# Altium PCB Ethernet2Mil_Adapter_Dual.PcbDoc (part 1 of 5)
Units mil, origin at the board's own origin, x right, y up, seen from the top; angles counter-clockwise.
Board outline 6000 x 4000 mil, 2 copper layers (Top Layer, Bottom Layer); 318 components, 359 nets, 3384 pads, 22 vias.
Unrouted connection lines stored in the file: 800.
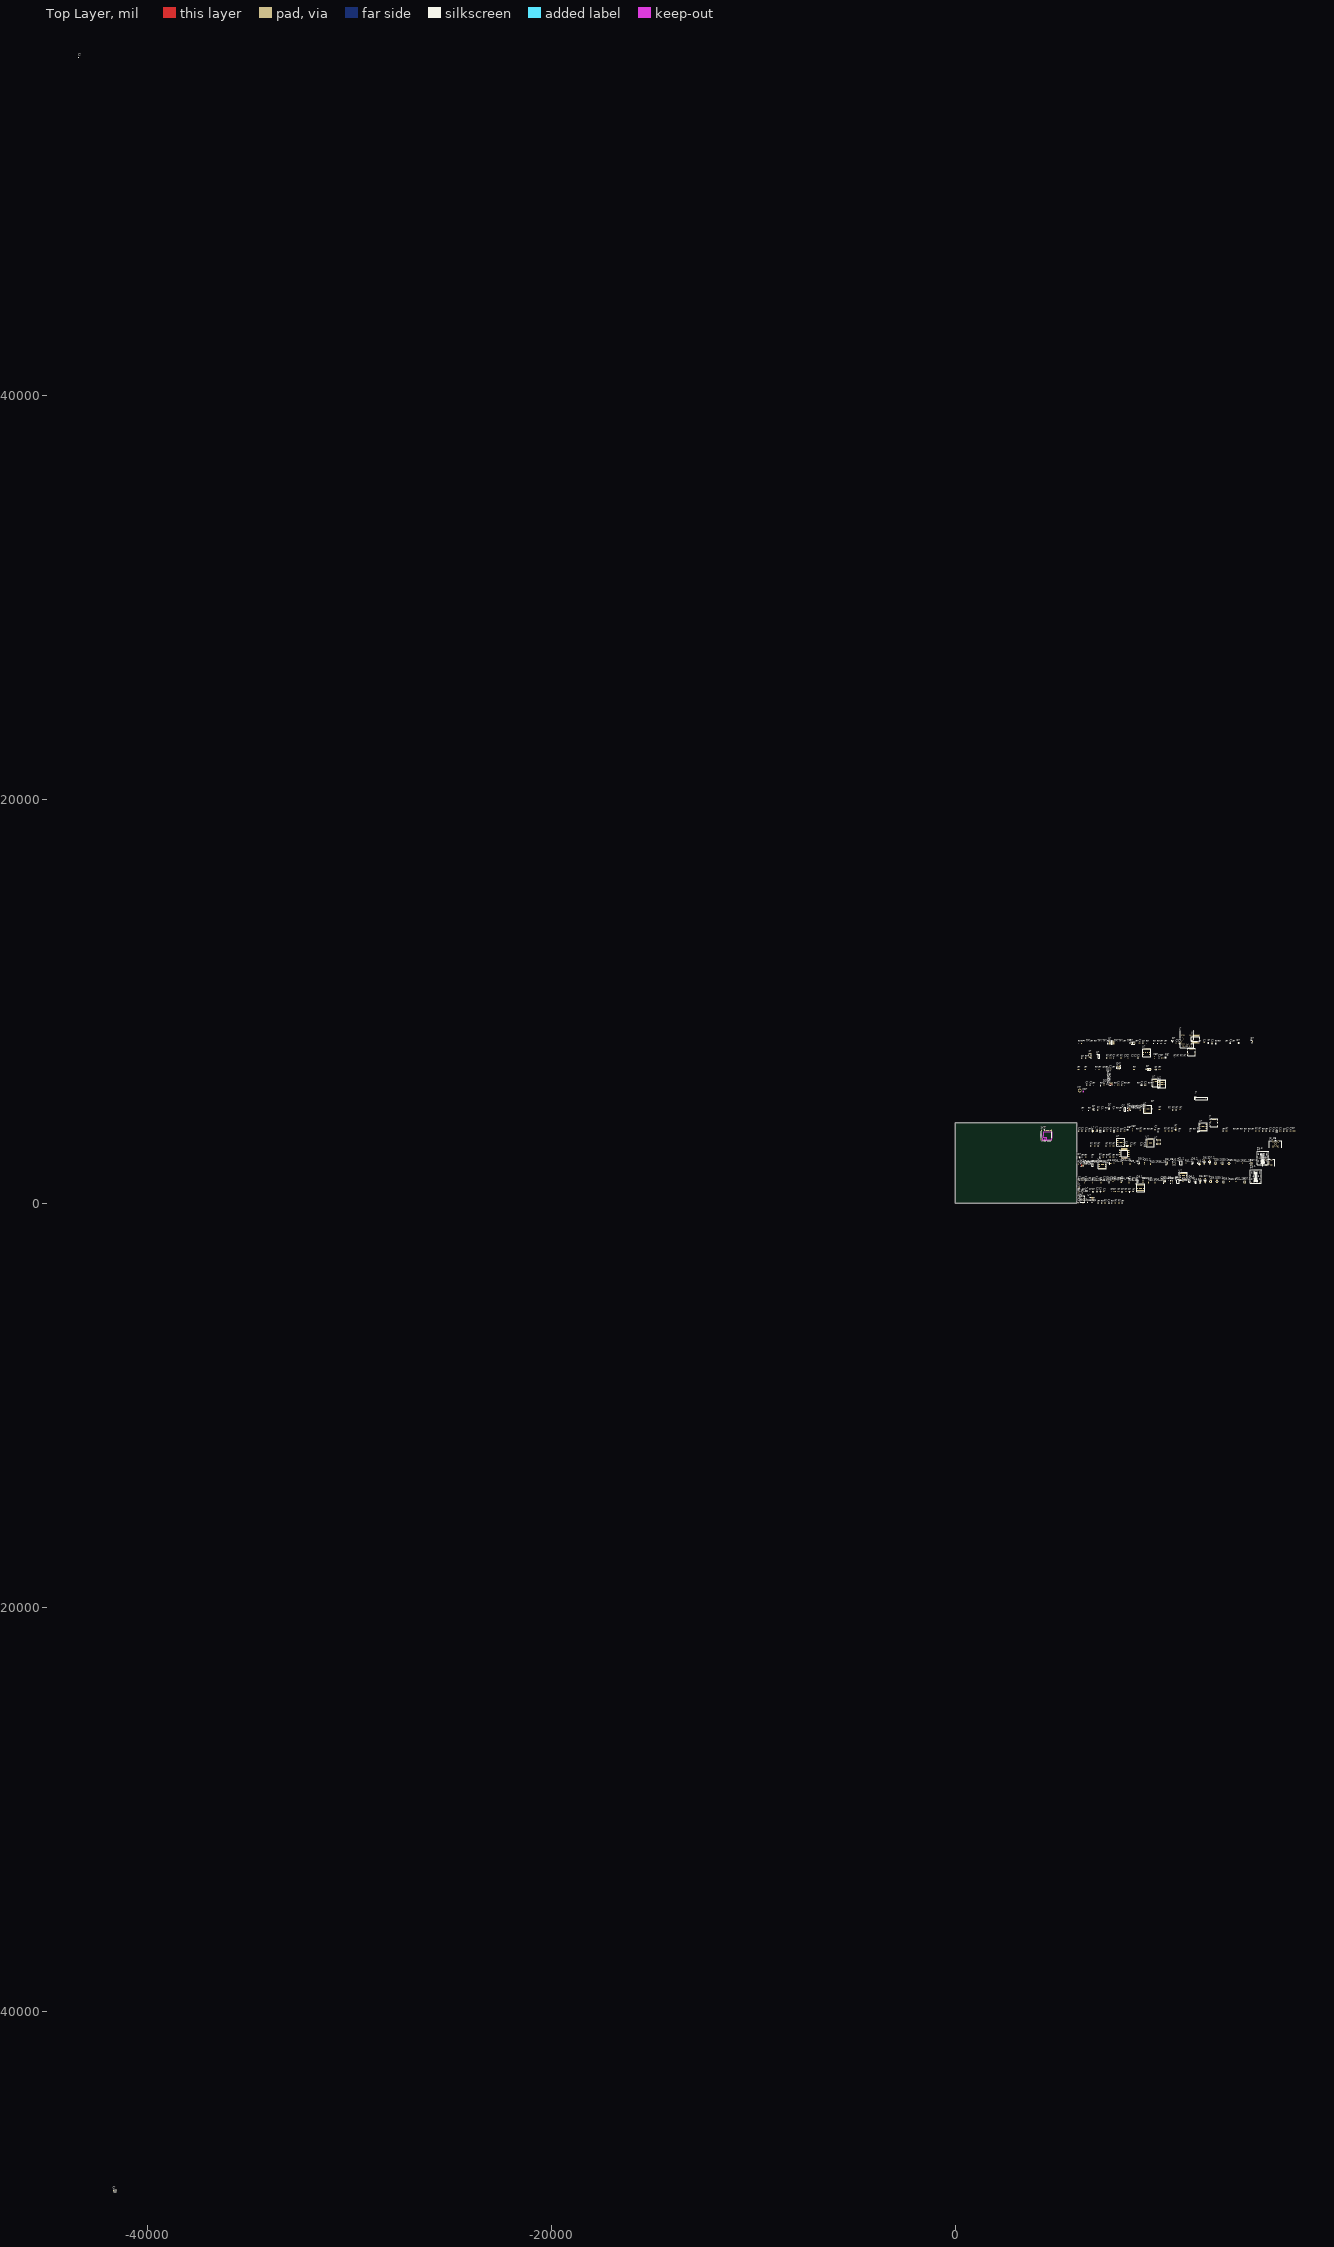
[diagram p0: Top Layer view]
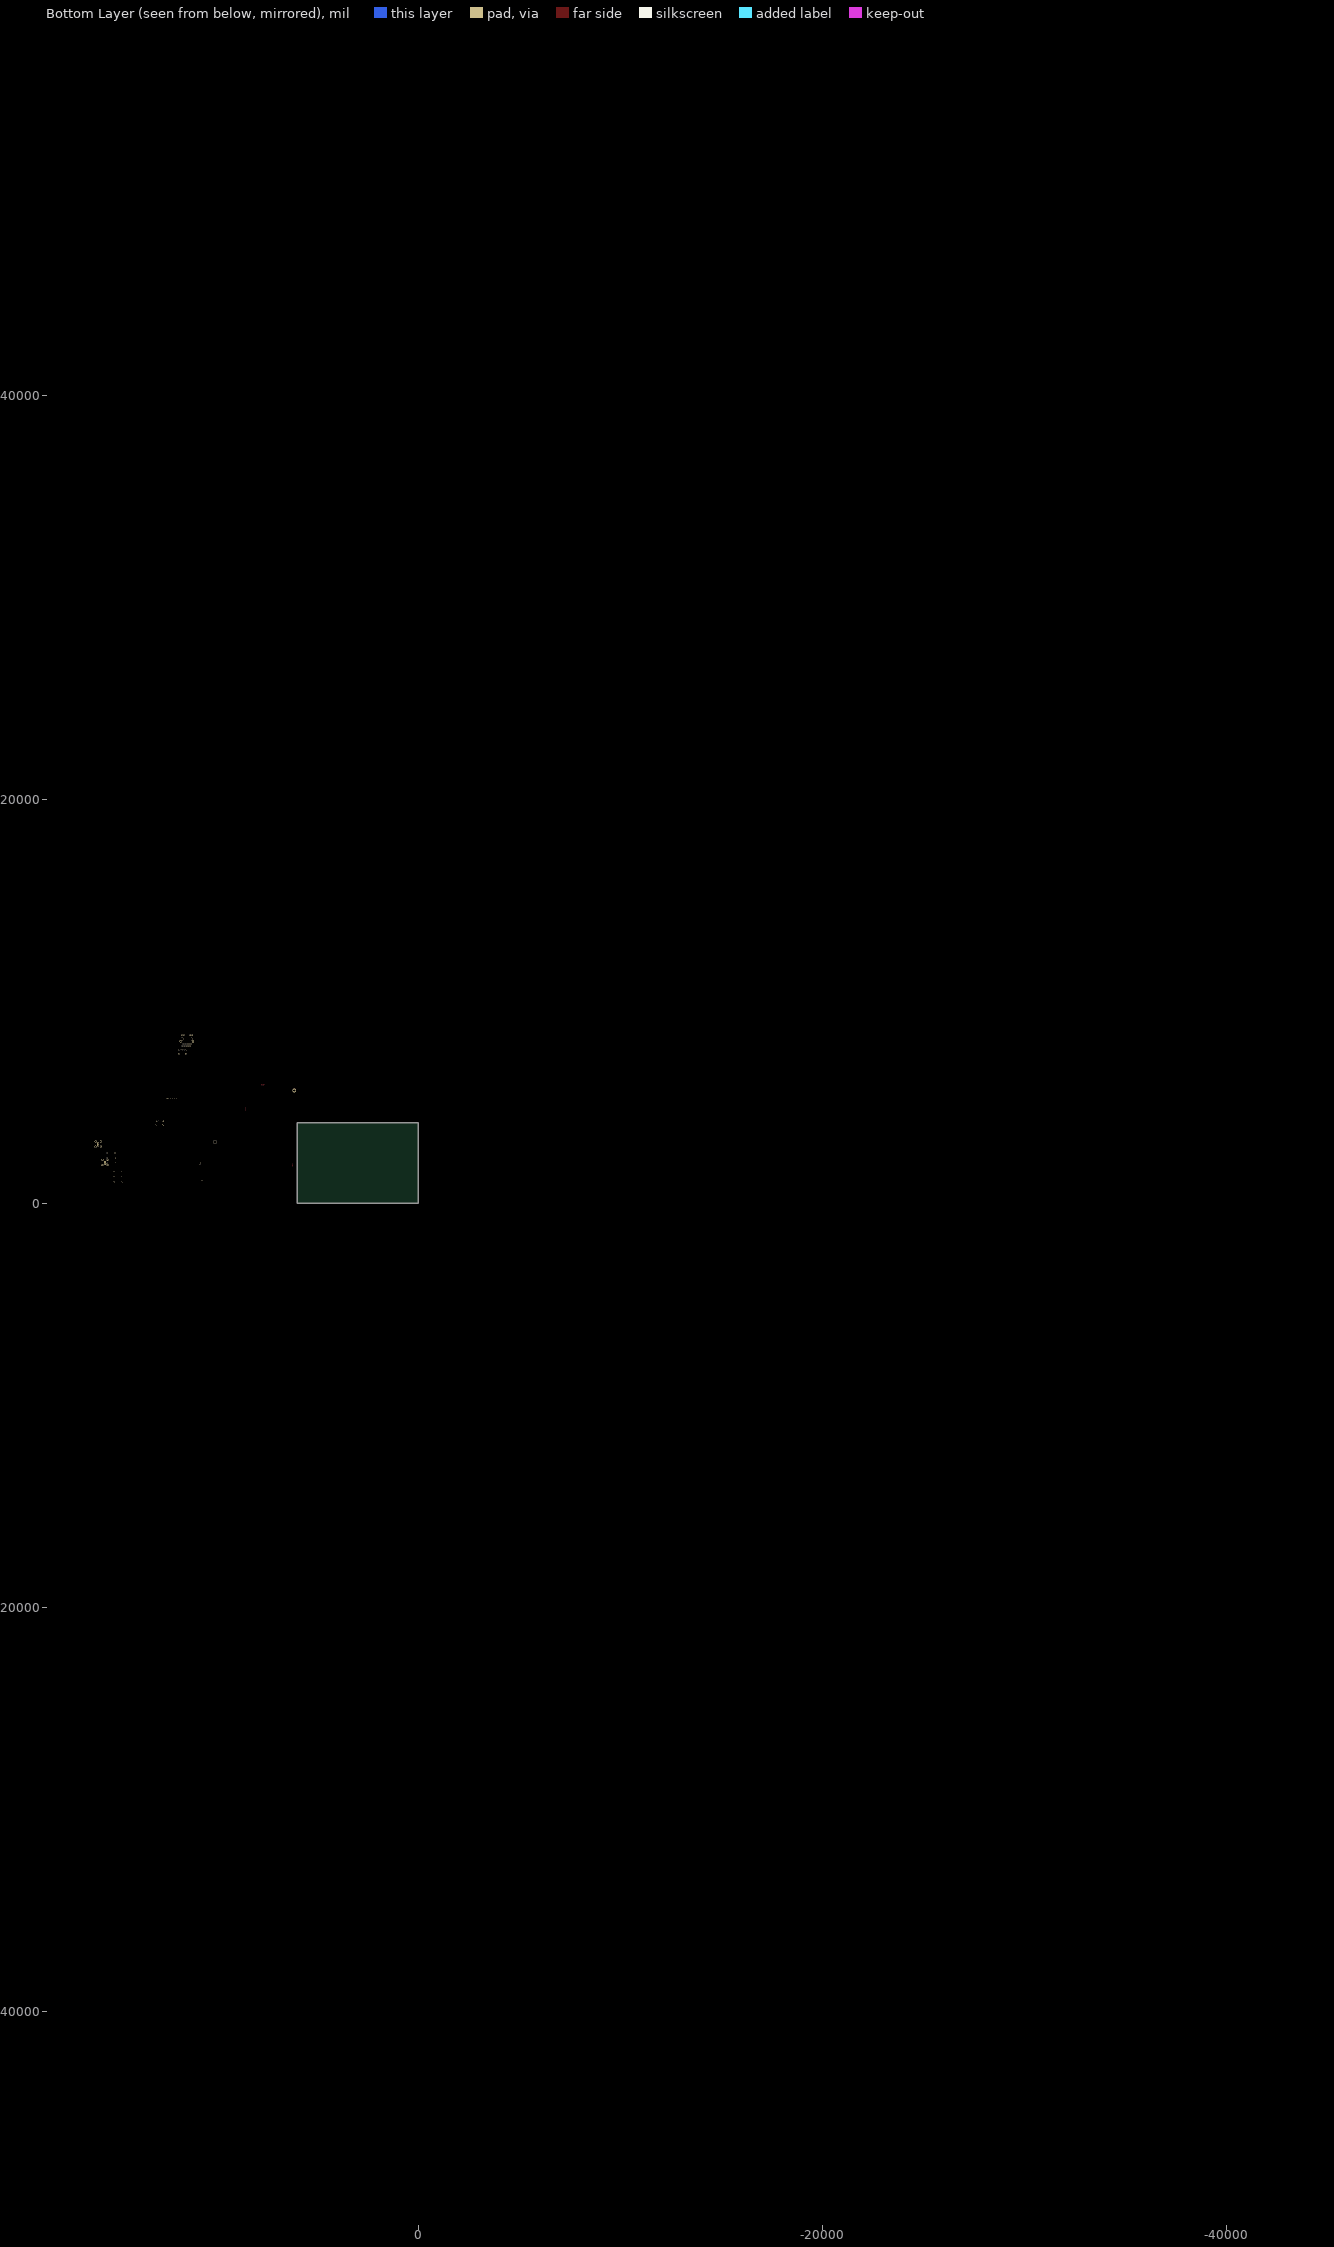
[diagram p1: Bottom Layer view, seen from below]

## Layer stack, top to bottom
Top Solder: solder mask 0.4, Solder Resist, Dk 3.5
Top Layer: signal copper 1.4
Dielectric 1: dielectric 12.6, FR-4, Dk 4.8
Bottom Layer: signal copper 1.4
Bottom Solder: solder mask 0.4, Solder Resist, Dk 3.5

## Board outline
0,0 6000,0 6000,4000 0,4000

## Design rules (kind name [scope] priority, off if disabled: settings)
Clearance [All] p1: gap=10 ignorepadtopadclearanceinfootprint=FALSE
DiffPairsRouting [All] p1: maxlimit=10 minlimit=10 mostfreqgap=10 toplayer_minwidth=15 toplayer_maxwidth=15 toplayer_prefwidth=15 bottomlayer_minwidth=15 bottomlayer_maxwidth=15 bottomlayer_prefwidth=15 maxuncoupledlength=500
FanoutControl "Schematic Fanout Control_7" [InNet('SRAM-DQ7')] p1: bgadir=Out bgaviamode=Centered fanoutstyle=BGA fanoutdirection=Alternating viagrid=1
FanoutControl "Schematic Fanout Control_6" [InNet('SRAM-DQ0')] p2: bgadir=Out bgaviamode=Centered fanoutstyle=BGA fanoutdirection=Alternating viagrid=1
FanoutControl "Schematic Fanout Control_5" [InNet('SRAM-DQ2')] p3: bgadir=Out bgaviamode=Centered fanoutstyle=BGA fanoutdirection=Alternating viagrid=1
FanoutControl "Schematic Fanout Control_4" [InNet('SRAM-DQ3')] p4: bgadir=Out bgaviamode=Centered fanoutstyle=BGA fanoutdirection=Alternating viagrid=1
FanoutControl "Schematic Fanout Control_3" [InNet('SRAM-DQ4')] p5: bgadir=Out bgaviamode=Centered fanoutstyle=BGA fanoutdirection=Alternating viagrid=1
FanoutControl "Schematic Fanout Control_2" [InNet('SRAM-DQ6')] p6: bgadir=Out bgaviamode=Centered fanoutstyle=BGA fanoutdirection=Alternating viagrid=1
FanoutControl "Schematic Fanout Control_1" [InNet('SRAM-DQ1')] p7: bgadir=Out bgaviamode=Centered fanoutstyle=BGA fanoutdirection=Alternating viagrid=1
FanoutControl "Schematic Fanout Control" [InNet('SRAM-DQ5')] p8: bgadir=Out bgaviamode=Centered fanoutstyle=BGA fanoutdirection=Alternating viagrid=1
FanoutControl Fanout_BGA [IsBGA] p9: bgadir=Out bgaviamode=Centered fanoutstyle=Auto fanoutdirection=Alternating viagrid=1 // Fanout_BGA (Default Rule)
FanoutControl Fanout_LCC [IsLCC] p10: bgadir=Out bgaviamode=Centered fanoutstyle=Auto fanoutdirection=Alternating viagrid=1 // Fanout_LCC (Default Rule)
FanoutControl Fanout_SOIC [IsSOIC] p11: bgadir=Out bgaviamode=Centered fanoutstyle=Auto fanoutdirection=Alternating viagrid=1 // Fanout_SOIC (Default Rule)
FanoutControl Fanout_Small [(CompPinCount < 5)] p12: bgadir=Out bgaviamode=Centered fanoutstyle=Auto fanoutdirection=OutThenIn viagrid=1 // Fanout_Small (Default Rule)
FanoutControl Fanout_Default [All] p13: bgadir=Out bgaviamode=Centered fanoutstyle=Auto fanoutdirection=Alternating viagrid=1 // Fanout_Default (Default Rule)
MatchedLengths "Schematic Matched Net Lengths_7" [InNet('SRAM-DQ2')] p1: tolerance=1000 checknetsindiffpair=FALSE checkdiffpairvsdiffpair=TRUE checkxsignals=TRUE checkothers=TRUE usedelayunits=TRUE delaytolerance=100.000000
MatchedLengths "Schematic Matched Net Lengths_6" [InNet('SRAM-DQ3')] p2: tolerance=1000 checknetsindiffpair=FALSE checkdiffpairvsdiffpair=TRUE checkxsignals=TRUE checkothers=TRUE usedelayunits=TRUE delaytolerance=100.000000
MatchedLengths "Schematic Matched Net Lengths_5" [InNet('SRAM-DQ4')] p3: tolerance=1000 checknetsindiffpair=FALSE checkdiffpairvsdiffpair=TRUE checkxsignals=TRUE checkothers=TRUE usedelayunits=TRUE delaytolerance=100.000000
MatchedLengths "Schematic Matched Net Lengths_4" [InNet('SRAM-DQ6')] p4: tolerance=1000 checknetsindiffpair=FALSE checkdiffpairvsdiffpair=TRUE checkxsignals=TRUE checkothers=TRUE usedelayunits=TRUE delaytolerance=100.000000
MatchedLengths "Schematic Matched Net Lengths_3" [InNet('SRAM-DQ1')] p5: tolerance=1000 checknetsindiffpair=FALSE checkdiffpairvsdiffpair=TRUE checkxsignals=TRUE checkothers=TRUE usedelayunits=TRUE delaytolerance=100.000000
MatchedLengths "Schematic Matched Net Lengths_2" [InNet('SRAM-DQ5')] p6: tolerance=1000 checknetsindiffpair=FALSE checkdiffpairvsdiffpair=TRUE checkxsignals=TRUE checkothers=TRUE usedelayunits=TRUE delaytolerance=100.000000
MatchedLengths "Schematic Matched Net Lengths_1" [InNet('SRAM-DQ7')] p7: tolerance=1000 checknetsindiffpair=FALSE checkdiffpairvsdiffpair=TRUE checkxsignals=TRUE checkothers=TRUE usedelayunits=TRUE delaytolerance=100.000000
MatchedLengths "Schematic Matched Net Lengths" [InNet('SRAM-DQ0')] p8: tolerance=1000 checknetsindiffpair=FALSE checkdiffpairvsdiffpair=TRUE checkxsignals=TRUE checkothers=TRUE usedelayunits=TRUE delaytolerance=100.000000
PolygonConnect [All] p1: connectstyle=Relief reliefconductorwidth=10 reliefentries=4 polygonreliefangle="90 Angle" airgapwidth=10
RoomDefinition 1A [InComponentClass('1A')] p1: confinementstyle=ConfineIn formatcopy=TRUE lockcomponents=FALSE outline 6045,980 16155,980 16155,3260 6045,3260
RoomDefinition 1B [InComponentClass('1B')] p2: confinementstyle=ConfineIn formatcopy=TRUE lockcomponents=FALSE outline 6045,-5 16995,-5 16995,8480 6045,8480
RoutingVias [All] p1: holewidth=28 width=50 viastyle="Through Hole" minholewidth=28 minwidth=50 maxholewidth=28 maxwidth=50
SolderMaskExpansion [All] p1: expansion=4 istentingtop=FALSE
SupplyNets "Schematic Supply Nets_20" [InNet('VCC_3.3V')] p1: voltage=3.300
SupplyNets "Schematic Supply Nets_19" [InNet('VCC_1.8V')] p2: voltage=1.800
SupplyNets "Schematic Supply Nets_18" [InNet('VCC_1V')] p3: voltage=1.000
SupplyNets "Schematic Supply Nets_17" [InNet('MIL_1553_3.3V')] p4: voltage=0.000
SupplyNets "Schematic Supply Nets_16" [InNet('VCC1.8')] p5: voltage=0.000
SupplyNets "Schematic Supply Nets_15" [InNet('+5')] p6: voltage=0.000
SupplyNets "Schematic Supply Nets_14" [InNet('USBP_VBUS')] p7: voltage=0.000
SupplyNets "Schematic Supply Nets_13" [InNet('VCC3.3')] p8: voltage=0.000
SupplyNets "Schematic Supply Nets_12" [InNet('+1.0V_Eth')] p9: voltage=0.000
SupplyNets "Schematic Supply Nets_11" [InNet('USB_1.8V')] p10: voltage=0.000
SupplyNets "Schematic Supply Nets_10" [InNet('+1.8V_Eth')] p11: voltage=0.000
SupplyNets "Schematic Supply Nets_9" [InNet('USB_3.3V')] p12: voltage=0.000
SupplyNets "Schematic Supply Nets_8" [InNet('SGND')] p13: voltage=0.000
SupplyNets "Schematic Supply Nets_7" [InNet('VCC_5V')] p14: voltage=0.000
SupplyNets "Schematic Supply Nets_6" [InNet('USBP_3.3V_VDDD')] p15: voltage=0.000
SupplyNets "Schematic Supply Nets_5" [InNet('USB_DI_3.3')] p16: voltage=0.000
SupplyNets "Schematic Supply Nets_4" [InNet('USB_DI_VBUS')] p17: voltage=0.000
SupplyNets "Schematic Supply Nets_3" [InNet('GND')] p18: voltage=0.000
SupplyNets "Schematic Supply Nets_2" [InNet('+3.3V_Eth')] p19: voltage=0.000
SupplyNets "Schematic Supply Nets_1" [InNet('SHEILD')] p20: voltage=0.000
SupplyNets "Schematic Supply Nets" [InNet('USBD_3.3V')] p21: voltage=0.000
Width [All] p1: maxlimit=10 minlimit=10 preferedwidth=10
24 further rules are at their usual default settings.

## Classes and differential pairs
channel class IO_MIL1553_TopConfiguration: 1A 1B
component class 1B: C59.2 C60.2 C61.2 C64_2B D6.2 D7.2 D8.2 D9.2 IC1.2 J2_2B Q3.2 Q3_2B R32_2B R36_2B R37.2 R38_1B R39.2 R39_1B R40.2 R41.2 R41_2B R43.2 R43_1B R46.2 R47.2 T1.2 U4.2 U5.2
component class 1A: C59.1 C60.1 C61.1 C64_2B D6.1 D7.1 D8.1 D9.1 IC1.1 J2_2B Q3.1 Q3_2B R32_2B R36_2B R37.1 R38_1B R39.1 R39_1B R40.1 R41.1 R41_2B R43.1 R43_1B R46.1 R47.1 T1.1 U4.1 U5.1
net class SRAM_NET_CLASS: SRAM-A0 SRAM-A1 SRAM-A2 SRAM-A3 SRAM-A4 SRAM-A5 SRAM-A6 SRAM-A7 SRAM-A8 SRAM-A9 SRAM-A10 SRAM-A11 SRAM-A12 SRAM-A13 SRAM-A14 SRAM-A15 SRAM-A16 SRAM-A17 SRAM-A18 SRAM-CE_n SRAM-DQ0 SRAM-DQ1 SRAM-DQ2 SRAM-DQ3 SRAM-DQ4 SRAM-DQ5 SRAM-DQ6 SRAM-DQ7 SRAM-OE_n SRAM-WE_n
net class "MIL1553 Channel 1B": MIL_1553_1B_RX MIL_1553_1B_TX_N MIL_1553_1B_TX_P
net class "MIL1553 Channel 1A": MIL_1553_1A_RX MIL_1553_1A_TX_N MIL_1553_1A_TX_P
net class "Ethernet RGMI TX": Eth_TX_C Eth_TX_CTL Eth_TXD_0 Eth_TXD_1 Eth_TXD_2 Eth_TXD_3
net class "Ethernet RGMI Tx PHY": Eth_TX_PHY_C Eth_TX_PHY_CTL Eth_TXD_PHY_0 Eth_TXD_PHY_1 Eth_TXD_PHY_2 Eth_TXD_PHY_3
net class "Ethernet RGMI Rx": Eth_RXC_PHYAD1 Eth_RXCTL/PHYAD2 Eth_RXD_0 Eth_RXD_1 Eth_RXD_2 Eth_RXD_3/PHYAD0
net class "Ethernet RGMI Rx PHY": Eth_RX_C_PHY_0 Eth_RX_PHY_CTL_4 Eth_RXD_PHY_0 Eth_RXD_PHY_1 Eth_RXD_PHY_2 Eth_RXD_PHY_3
net class "Ethernet MDI": Eth_MDI0_N Eth_MDI0_P Eth_MDI1_N Eth_MDI1_P Eth_MDI2_N Eth_MDI2_P Eth_MDI3_N Eth_MDI3_P
component class Designator: C31 C36 C43 C45 C? U?
component class Designator: C? CM? D? DS? FB? FD? J? L? M? Q? R38_1B R46.2 R53 R? SKT? TP? U? X? Y1 Y?
differential pair TX_OUT_DRIVE.2: +TX_OUT_DRIVE.2_P -TX_OUT_DRIVE.2_N
differential pair TX_OUT_DRIVE.1: +TX_OUT_DRIVE.1_P -TX_OUT_DRIVE.1_N
differential pair MIL_1553_1B_TX: +MIL_1553_1B_TX_P -MIL_1553_1B_TX_N
differential pair MIL_1553_1A_TX: +MIL_1553_1A_TX_P -MIL_1553_1A_TX_N
differential pair Eth_MDI3: +Eth_MDI3_P -Eth_MDI3_N
differential pair Eth_MDI2: +Eth_MDI2_P -Eth_MDI2_N
differential pair Eth_MDI1: +Eth_MDI1_P -Eth_MDI1_N
differential pair Eth_MDI0: +Eth_MDI0_P -Eth_MDI0_N

## Components (designator, comment, footprint, x,y, rotation, side; value= is the part's Value field where it differs from the comment)
C31 "Capacitor 470nF +/-40% 10V 0402" CAPC0402(1005)60_L 6760,50 r90 top value=470nF
C36 "Capacitor 4.7µF +/-20% 10V 0603" CAPC0603(1608)100_L 6075,50 r90 top value=4.7µF
C43 "Capacitor 4.7µF +/-20% 10V 0603" CAPC0603(1608)100_L 6305,50 r90 top value=4.7µF
C45 "Capacitor 470nF +/-40% 10V 0402" CAPC0402(1005)60_L 6530,50 r90 top value=470nF
C59.1 "12105C335KAT2A" CAPC3325X279X50NL40T25 12630,1085 r90 top value=3.3µF (schematic designator C59)
C59.2 "12105C335KAT2A" CAPC3325X279X50NL40T25 12870,1995 r90 top value=3.3µF (schematic designator C59)
C60.1 "12105C335KAT2A" CAPC3325X279X50NL40T25 12950,1085 r90 top value=3.3µF (schematic designator C60)
C60.2 "12105C335KAT2A" CAPC3325X279X50NL40T25 13210,1995 r90 top value=3.3µF (schematic designator C60)
C61.1 "VJ0805Y104JXXAT" CAPC2013X145X48ML20T23 9275,1075 r90 top value=100nF (schematic designator C61)
C61.2 "VJ0805Y104JXXAT" CAPC2013X145X48ML20T23 9355,1985 r90 top value=100nF (schematic designator C61)
C64_2B "VJ0805Y104JXXAT" CAPC2013X145X48ML20T23 8205,1075 r90 top value=100nF (schematic designator C62)
C64_2B "VJ0805Y104JXXAT" CAPC2013X145X48ML20T23 8265,1985 r90 top value=100nF (schematic designator C62)
C? "Capacitor 100µF +/-20% 6.3V 0805" CAPC0805(2012)145_L 8230,1150 r0 top value=100µF (schematic designator C16)
C? "Capacitor 4.7µF +/-20% 10V 0603" CAPC0603(1608)100_L 7690,1155 r0 top value=4.7µF (schematic designator C23)
C? "Capacitor 470nF +/-40% 10V 0402" CAPC0402(1005)60_L 7165,1150 r0 top value=470nF (schematic designator C24)
C? "Capacitor 4.7µF +/-20% 10V 0603" CAPC0603(1608)100_L 9295,1150 r0 top value=4.7µF (schematic designator C80)
C? "Capacitor 470nF +/-40% 10V 0402" CAPC0402(1005)60_L 6615,1150 r0 top value=470nF (schematic designator C27)
C? "Capacitor 470nF +/-40% 10V 0402" CAPC0402(1005)60_L 6800,1150 r0 top value=470nF (schematic designator C40)
C? "Capacitor 470nF +/-40% 10V 0402" CAPC0402(1005)60_L 10910,1150 r0 top value=470nF (schematic designator C41)
C? "Capacitor 1µF +/-0.1% 25V 0603" CAPC0603(1608)100_L 10725,1150 r0 top value=1µF (schematic designator C1)
C? "Capacitor 470nF +/-40% 10V 0402" CAPC0402(1005)60_L 8940,1155 r0 top value=470nF (schematic designator C47)
C? "Capacitor 100µF +/-20% 6.3V 0805" CAPC0805(2012)145_L 6445,1155 r0 top value=100µF (schematic designator C21)
C? "Capacitor 4.7µF +/-20% 10V 0603" CAPC0603(1608)100_L 6115,1165 r0 top value=4.7µF (schematic designator C29)
C? "Capacitor 1 uF +/- 10% 25 V 1206" CAPC3216X180X20ML20 8495,2855 r0 top value=0_DNR (schematic designator C73)
C? "Capacitor 470nF +/-40% 10V 0402" CAPC0402(1005)60_L 8665,2845 r0 top value=470nF (schematic designator C9)
C? "Capacitor 4.7µF +/-20% 10V 0603" CAPC0603(1608)100_L 9360,2845 r0 top value=4.7µF (schematic designator C66)
C? "Capacitor 100nF +/-20% 25V 0402" CAPC0402(1005)60_L 6105,3585 r0 top value=100nF (schematic designator C2)
C? "GRM188R60J226MEA0J" FP-GRM188-0_2-IPC_C 7165,3580 r0 top (schematic designator C90)
C? "GRM188R60J226MEA0J" FP-GRM188-0_2-IPC_C 7850,3580 r0 top (schematic designator C88)
C? "Capacitor 4.7µF +/-20% 10V 0603" CAPC0603(1608)100_L 9190,2855 r0 top value=4.7µF (schematic designator C44)
C? "Capacitor 10 pF +/- 5% 50 V 0402" CAPC1005X55X25ML05T05 9480,1150 r0 top value=10pF (schematic designator C56)
C? "Capacitor 100µF +/-20% 6.3V 0805" CAPC0805(2012)145_L 7360,1165 r0 top value=100µF (schematic designator C12)
C? "Capacitor 470nF +/-40% 10V 0402" CAPC0402(1005)60_L 6275,1155 r0 top value=470nF (schematic designator C48)
C? "Capacitor 470nF +/-40% 10V 0402" CAPC0402(1005)60_L 11755,1150 r0 top value=470nF (schematic designator C32)
C? "Capacitor 4.7µF +/-20% 10V 0603" CAPC0603(1608)100_L 8045,1150 r0 top value=4.7µF (schematic designator C76)
C? "Capacitor 100 nF +/-10% 50 V 0603" CAPC1608X90X40NL10T20 6100,585 r0 top value=100nF (schematic designator C81)
C? "Capacitor 0.1 uF +/- 5% 16 V 0402" CAPC1005X56X25LL10T15 6285,600 r0 top value=100nF (schematic designator C96)
C? "Capacitor 100 nF +/-10% 50 V 0603" CAPC1608X90X40NL10T20 8425,585 r0 top value=100nF (schematic designator C77)
C? "Capacitor 100µF +/-20% 6.3V 0805" CAPC0805(2012)145_L 7005,600 r0 top value=100µF (schematic designator C11)
C? "Capacitor 1 uF +/- 10% 50 V 0805" CAPC2013X135X45NL10T25 7875,585 r0 top value=1µF (schematic designator C93)
C? "Capacitor 100µF +/-20% 6.3V 0805" CAPC0805(2012)145_L 8610,585 r0 top value=100µF (schematic designator C42)
C? "Capacitor 100µF +/-20% 6.3V 0805" CAPC0805(2012)145_L 7175,600 r0 top value=100µF (schematic designator C35)
C? "Capacitor 100µF +/-20% 6.3V 0805" CAPC0805(2012)145_L 6810,585 r0 top value=100µF (schematic designator C5)
C? "Capacitor 10µF +/-20% 25V 0805" CAPC0805(2012)145_L 7595,25 r0 top value=10µF (schematic designator C85)
C? "Capacitor 470nF +/-40% 10V 0402" CAPC0402(1005)60_L 6650,600 r0 top value=470nF (schematic designator C8)
C? "Capacitor 0.1 uF +/- 5% 16 V 0402" CAPC1005X56X25LL10T15 7335,585 r0 top value=100nF (schematic designator C101)
C? "C0402C270F5GACTU" FP-C0402-BB-MFG 8240,585 r0 top value=27pF (schematic designator C104)
C? "Capacitor 100µF +/-20% 6.3V 0805" CAPC0805(2012)145_L 10360,1150 r0 top value=100µF (schematic designator C19)
C? "Capacitor 4.7µF +/-20% 10V 0603" CAPC0603(1608)100_L 9660,1150 r0 top value=4.7µF (schematic designator C100)
C? "Capacitor 4.7µF +/-20% 10V 0603" CAPC0603(1608)100_L 10185,1155 r0 top value=4.7µF (schematic designator C37)
C? "Capacitor 470nF +/-40% 10V 0402" CAPC0402(1005)60_L 11595,1165 r0 top value=470nF (schematic designator C20)
C? "Capacitor 470nF +/-40% 10V 0402" CAPC0402(1005)60_L 8770,1155 r0 top value=470nF (schematic designator C7)
C? "Capacitor 4.7µF +/-20% 10V 0603" CAPC0603(1608)100_L 8610,1165 r0 top value=4.7µF (schematic designator C74)
C? "Capacitor 1 uF +/- 10% 50 V 0805" CAPC2013X135X45NL10T25 7520,1155 r0 top value=1µF (schematic designator C92)
C? "8853520100071" WCAP-CSSA_1808_L4.5W2H1.4 8415,1150 r0 top (schematic designator C94)
C? "0603YC105JAT2A" CAPC1608X90X35LL15T15 8060,585 r0 top value=1µF (schematic designator C53)
C? "Capacitor 10nF +/-20% 50V 0402" CAPC0402(1005)60_L 7715,600 r0 top value=10nF (schematic designator C4)
C? "Capacitor 100 nF +/-10% 50 V 0603" CAPC1608X90X40NL10T20 7865,1150 r0 top value=100nF (schematic designator C83)
C? "Capacitor 470nF +/-40% 10V 0402" CAPC0402(1005)60_L 10540,1150 r0 top value=470nF (schematic designator C6)
C? "Capacitor 100 nF +/-10% 50 V 0603" CAPC1608X90X40NL10T20 6985,1150 r0 top value=100nF (schematic designator C84)
C? "Capacitor 470nF +/-40% 10V 0402" CAPC0402(1005)60_L 6255,7195 r0 top value=470nF (schematic designator C26)
C? "Capacitor 4.7µF +/-20% 10V 0603" CAPC0603(1608)100_L 7830,7205 r0 top value=4.7µF (schematic designator C97)
C? "Capacitor 470nF +/-20% 25V 0603" CAPC0603(1608)100_L 10075,7205 r0 top value=470nF (schematic designator C3)
C? "Capacitor 0.1 uF +/- 5% 16 V 0402" CAPC1005X56X25LL10T15 8710,7205 r0 top value=100nF (schematic designator C103)
C? "Capacitor 100 nF +/-10% 50 V 0603" CAPC1608X90X40NL10T20 8885,7205 r0 top value=100nF (schematic designator C68)
C? "VJ0805Y104JXXAT" CAPC2013X145X48ML20T23 10230,7195 r0 top value=100nF (schematic designator C52)
C? "Capacitor 470nF +/-40% 10V 0402" CAPC0402(1005)60_L -43385,56725 r90 top value=470nF (schematic designator C14)
C? "Capacitor 100µF +/-20% 6.3V 0805" CAPC0805(2012)145_L 9390,5860 r0 top value=100µF (schematic designator C28)
C? "Capacitor 470nF +/-40% 10V 0402" CAPC0402(1005)60_L 8240,5860 r0 top value=470nF (schematic designator C33)
C? "Capacitor 10µF +/-20% 25V 0805" CAPC0805(2012)145_L 9915,6630 r0 top value=10µF (schematic designator C87)
C? "Capacitor 0.1 uF +/- 5% 16 V 0402" CAPC1005X56X25LL10T15 7310,6645 r0 top value=100nF (schematic designator C98)
C? "Capacitor 100 nF +/-10% 50 V 0603" CAPC1608X90X40NL10T20 7665,6645 r0 top value=100nF (schematic designator C75)
C? "Capacitor 100 nF +/-10% 50 V 0603" CAPC1608X90X40NL10T20 12080,7925 r0 top value=100nF (schematic designator C64)
C? "Capacitor 10µF +/-20% 25V 0805" CAPC0805(2012)145_L 11080,7925 r0 top value=10µF (schematic designator C89)
C? "0603YC105JAT2A" CAPC1608X90X35LL15T15 12290,7955 r0 top value=1µF (schematic designator C54)
C? "Capacitor 4.7µF +/-40% 25V 0805" CAPC0805(2012)145_L 12695,7925 r0 top value=4.7µF (schematic designator C55)
C? "C0402C391K4RACTU" FP-C0402-BB-MFG 12510,7955 r0 top value=390pF (schematic designator C57)
C? "C0402C391K4RACTU" FP-C0402-BB-MFG 13595,7940 r0 top value=390pF (schematic designator C58)
C? "Capacitor 4.7µF +/-20% 10V 0603" CAPC0603(1608)100_L 9275,7930 r0 top value=4.7µF (schematic designator C95)
C? "Capacitor 100 nF +/-10% 50 V 0603" CAPC1608X90X40NL10T20 8525,7195 r0 top value=100nF (schematic designator C70)
C? "Capacitor 4.7µF +/-20% 10V 0603" CAPC0603(1608)100_L 9035,7195 r0 top value=4.7µF (schematic designator C22)